# KiCad board Solder.kicad_pcb (continued)
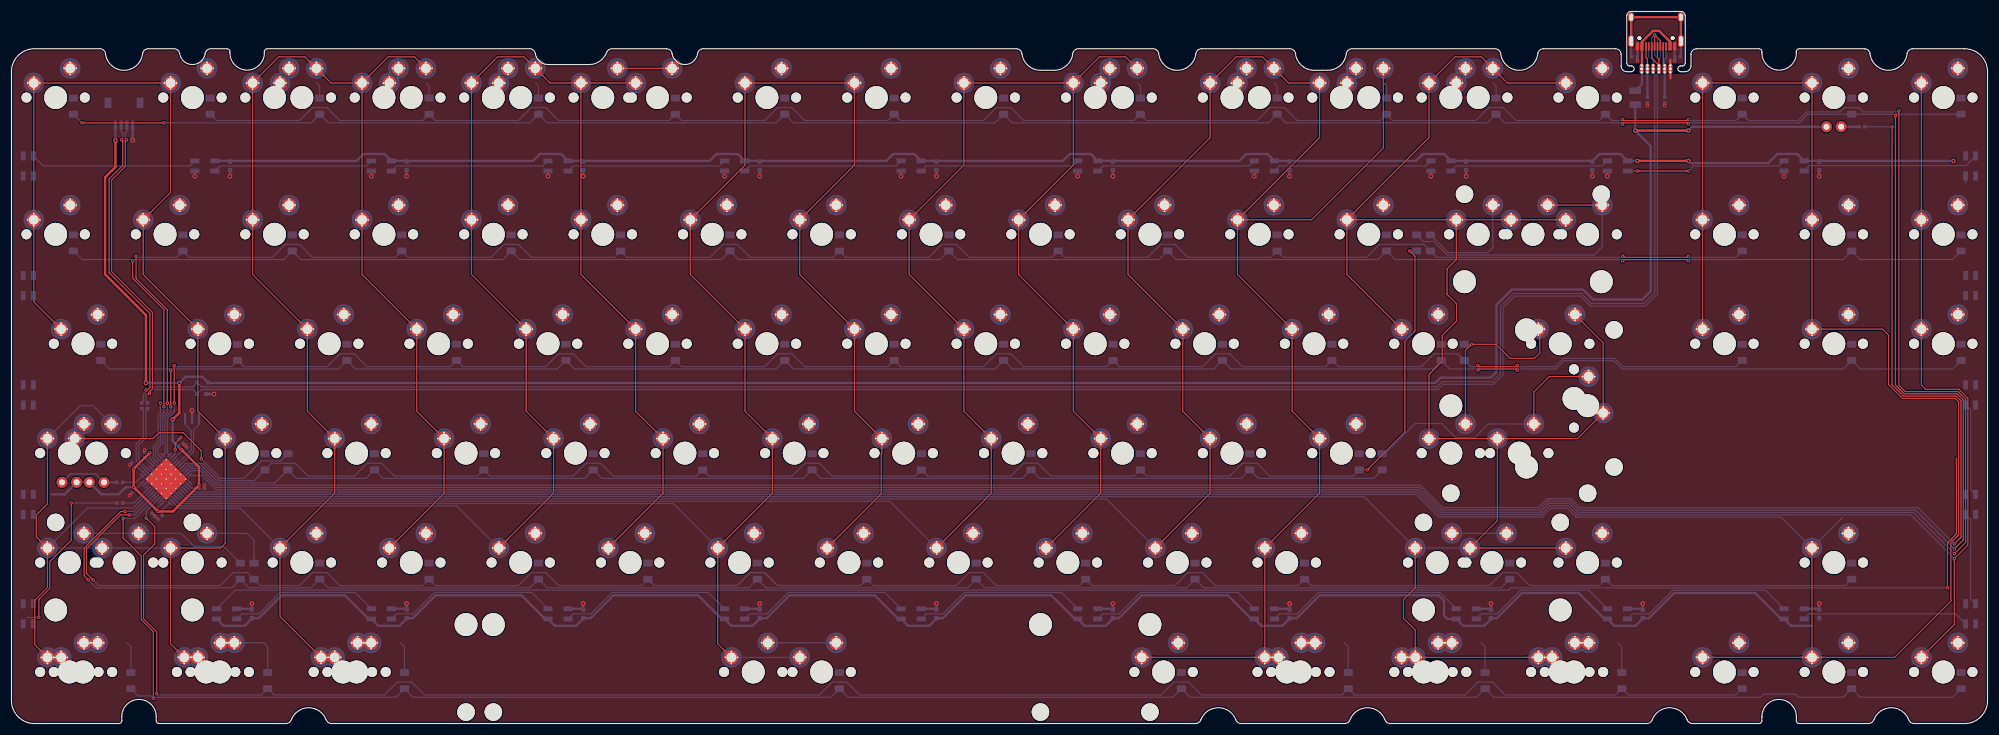
[diagram p0: board, top side]
## Copper pours and planes (outline as drawn; the poured copper is in the pictures) (continued)
Net-(D73-Pad2) on Bottom: 262.53,52.05 262.64,52.05 262.74,52.05 262.83,52.04 262.91,52.02 262.99,52.01 263.07,51.99 263.14,51.97 263.21,51.94 263.27,51.91 263.33,51.88 263.38,51.85 263.44,51.82 263.49,51.78 263.54,51.74 263.93,51.39 263.98,51.35 264.04,51.3 264.1,51.25 264.17,51.21 264.24,51.16 264.31,51.12 264.39,51.07 264.48,51.03 265.65,52.15 264.48,53.28 264.39,53.24 264.31,53.19 264.24,53.15 264.17,53.1 264.1,53.06 264.04,53.01 263.98,52.96 263.93,52.92 263.54,52.57 263.49,52.53 263.44,52.49 263.38,52.46 263.33,52.43 263.27,52.4 263.21,52.37 263.14,52.34 263.07,52.32 262.99,52.3 262.91,52.28 262.83,52.27 262.74,52.26 262.64,52.26 262.53,52.25
Net-(D74-Pad2) on Bottom: 257.77,33 257.87,33 257.97,33 258.07,32.99 258.15,32.97 258.23,32.96 258.31,32.94 258.38,32.92 258.44,32.89 258.51,32.86 258.56,32.83 258.62,32.8 258.67,32.77 258.72,32.73 258.77,32.69 259.16,32.34 259.22,32.3 259.28,32.25 259.34,32.2 259.4,32.16 259.47,32.11 259.55,32.07 259.63,32.02 259.71,31.98 260.88,33.1 259.71,34.23 259.63,34.19 259.55,34.14 259.47,34.1 259.4,34.05 259.34,34.01 259.28,33.96 259.22,33.91 259.16,33.87 258.77,33.52 258.72,33.48 258.67,33.44 258.62,33.41 258.56,33.38 258.51,33.35 258.44,33.32 258.38,33.29 258.31,33.27 258.23,33.25 258.15,33.23 258.07,33.22 257.97,33.21 257.87,33.21 257.77,33.2
Net-(D74-Pad2) on Bottom: 253.22,33.2 253.12,33.21 253.02,33.21 252.93,33.22 252.84,33.23 252.76,33.25 252.68,33.27 252.61,33.29 252.55,33.32 252.48,33.35 252.43,33.38 252.37,33.41 252.32,33.44 252.27,33.48 252.22,33.52 251.83,33.87 251.77,33.91 251.71,33.96 251.65,34.01 251.59,34.05 251.52,34.1 251.44,34.14 251.36,34.19 251.28,34.23 250.11,33.1 251.28,31.98 251.36,32.02 251.44,32.07 251.52,32.11 251.59,32.16 251.65,32.2 251.71,32.25 251.77,32.3 251.83,32.34 252.22,32.69 252.27,32.73 252.32,32.77 252.37,32.8 252.43,32.83 252.48,32.86 252.55,32.89 252.61,32.92 252.68,32.94 252.76,32.96 252.84,32.97 252.93,32.99 253.02,33 253.12,33 253.22,33
Net-(D77-Pad2) on Bottom: 257.98,87.76 257.98,87.87 257.98,87.97 257.99,88.06 258.01,88.15 258.02,88.23 258.04,88.3 258.06,88.37 258.09,88.44 258.12,88.5 258.15,88.56 258.18,88.62 258.21,88.67 258.25,88.72 258.29,88.77 258.64,89.16 258.68,89.22 258.73,89.27 258.78,89.34 258.82,89.4 258.87,89.47 258.91,89.54 258.96,89.62 259,89.71 257.88,90.88 256.75,89.71 256.79,89.62 256.84,89.54 256.88,89.47 256.93,89.4 256.98,89.34 257.02,89.27 257.07,89.22 257.12,89.16 257.46,88.77 257.5,88.72 257.54,88.67 257.57,88.62 257.61,88.56 257.64,88.5 257.66,88.44 257.69,88.37 257.71,88.3 257.73,88.23 257.75,88.15 257.76,88.06 257.77,87.97 257.77,87.87 257.78,87.76
Net-(D78-Pad2) on Top: 266.14,66.18 266.15,66.29 266.15,66.39 266.16,66.49 266.17,66.58 266.19,66.67 266.21,66.75 266.23,66.83 266.25,66.9 266.28,66.97 266.31,67.03 266.34,67.09 266.37,67.15 266.41,67.21 266.71,67.65 266.75,67.71 266.79,67.77 266.82,67.84 266.86,67.91 266.89,67.98 266.93,68.06 266.96,68.15 266.99,68.24 267.02,68.33 265.7,69.28 264.81,67.92 264.86,67.85 264.92,67.78 264.97,67.72 265.03,67.66 265.08,67.61 265.14,67.55 265.58,67.16 265.62,67.12 265.66,67.07 265.7,67.03 265.74,66.98 265.77,66.93 265.8,66.87 265.83,66.81 265.86,66.75 265.88,66.69 265.9,66.62 265.91,66.54 265.93,66.46 265.94,66.37 265.94,66.28 265.94,66.18
Net-(D78-Pad2) on Top: 253.01,54.64 253.01,54.54 253.01,54.44 253,54.35 252.98,54.26 252.97,54.18 252.95,54.1 252.93,54.03 252.9,53.97 252.87,53.91 252.84,53.85 252.81,53.79 252.78,53.74 252.74,53.69 252.7,53.64 252.35,53.25 252.31,53.19 252.26,53.13 252.21,53.07 252.17,53.01 252.12,52.94 252.08,52.86 252.03,52.78 251.99,52.7 253.11,51.53 254.24,52.7 254.2,52.78 254.15,52.86 254.11,52.94 254.06,53.01 254.01,53.07 253.97,53.13 253.92,53.19 253.88,53.25 253.53,53.64 253.49,53.69 253.45,53.74 253.42,53.79 253.38,53.85 253.35,53.91 253.33,53.97 253.3,54.03 253.28,54.1 253.26,54.18 253.24,54.26 253.23,54.35 253.22,54.44 253.22,54.54 253.21,54.64
Net-(D79-Pad2) on Top: 269.89,90.35 269.79,90.36 269.69,90.36 269.59,90.37 269.51,90.38 269.43,90.4 269.35,90.42 269.28,90.44 269.22,90.47 269.15,90.5 269.09,90.53 269.04,90.56 268.99,90.59 268.93,90.63 268.89,90.67 268.5,91.02 268.44,91.06 268.38,91.11 268.32,91.16 268.26,91.2 268.19,91.25 268.11,91.29 268.03,91.34 267.95,91.38 266.78,90.25 267.95,89.13 268.03,89.17 268.11,89.22 268.19,89.26 268.26,89.31 268.32,89.35 268.38,89.4 268.44,89.45 268.5,89.49 268.89,89.84 268.93,89.88 268.99,89.92 269.04,89.95 269.09,89.98 269.15,90.01 269.22,90.04 269.28,90.07 269.35,90.09 269.43,90.11 269.51,90.12 269.59,90.14 269.69,90.15 269.79,90.15 269.89,90.15
Net-(D79-Pad2) on Top: 274.44,90.15 274.54,90.15 274.64,90.15 274.73,90.14 274.82,90.12 274.9,90.11 274.98,90.09 275.05,90.07 275.11,90.04 275.17,90.01 275.23,89.98 275.29,89.95 275.34,89.92 275.39,89.88 275.44,89.84 275.83,89.49 275.89,89.45 275.95,89.4 276.01,89.35 276.07,89.31 276.14,89.26 276.22,89.22 276.3,89.17 276.38,89.13 277.55,90.25 276.38,91.38 276.3,91.34 276.22,91.29 276.14,91.25 276.07,91.2 276.01,91.16 275.95,91.11 275.89,91.06 275.83,91.02 275.44,90.67 275.39,90.63 275.34,90.59 275.29,90.56 275.23,90.53 275.17,90.5 275.11,90.47 275.05,90.44 274.98,90.42 274.9,90.4 274.82,90.38 274.73,90.37 274.64,90.36 274.54,90.36 274.44,90.35
Net-(D79-Pad2) on Bottom: 277.03,87.76 277.03,87.87 277.03,87.97 277.04,88.06 277.06,88.15 277.07,88.23 277.09,88.3 277.11,88.37 277.14,88.44 277.17,88.5 277.2,88.56 277.23,88.62 277.26,88.67 277.3,88.72 277.34,88.77 277.69,89.16 277.73,89.22 277.78,89.27 277.83,89.34 277.87,89.4 277.92,89.47 277.96,89.54 278.01,89.62 278.05,89.71 276.93,90.88 275.8,89.71 275.84,89.62 275.89,89.54 275.93,89.47 275.98,89.4 276.03,89.34 276.07,89.27 276.12,89.22 276.17,89.16 276.51,88.77 276.55,88.72 276.59,88.67 276.62,88.62 276.66,88.56 276.69,88.5 276.71,88.44 276.74,88.37 276.76,88.3 276.78,88.23 276.8,88.15 276.81,88.06 276.82,87.97 276.82,87.87 276.83,87.76

Small or netless copper shapes (teardrops, artwork), in the pictures only: 79 on Top, 142 on Bottom

## Text on the board
Cmts.User: Component: R7 / Grid Origin: USB1 / X: -3.77mm / Y: 9.5mm | Component: C8 / Grid Origin: USB1 / X: 3.77mm / Y: 9.5mm | Grid: 0.25mm
